# Altium PCB TestMod_SEAx.PcbDoc (part 3 of 3)
Units mil, origin at the board's own origin, x right, y up, seen from the top; angles counter-clockwise.
Board outline 3972.98 x 2716.54 mil, 4 copper layers (Top Layer, GND, Power, Bottom Layer), stack 57.48 mil thick; 154 components, 159 nets, 915 pads, 889 vias.
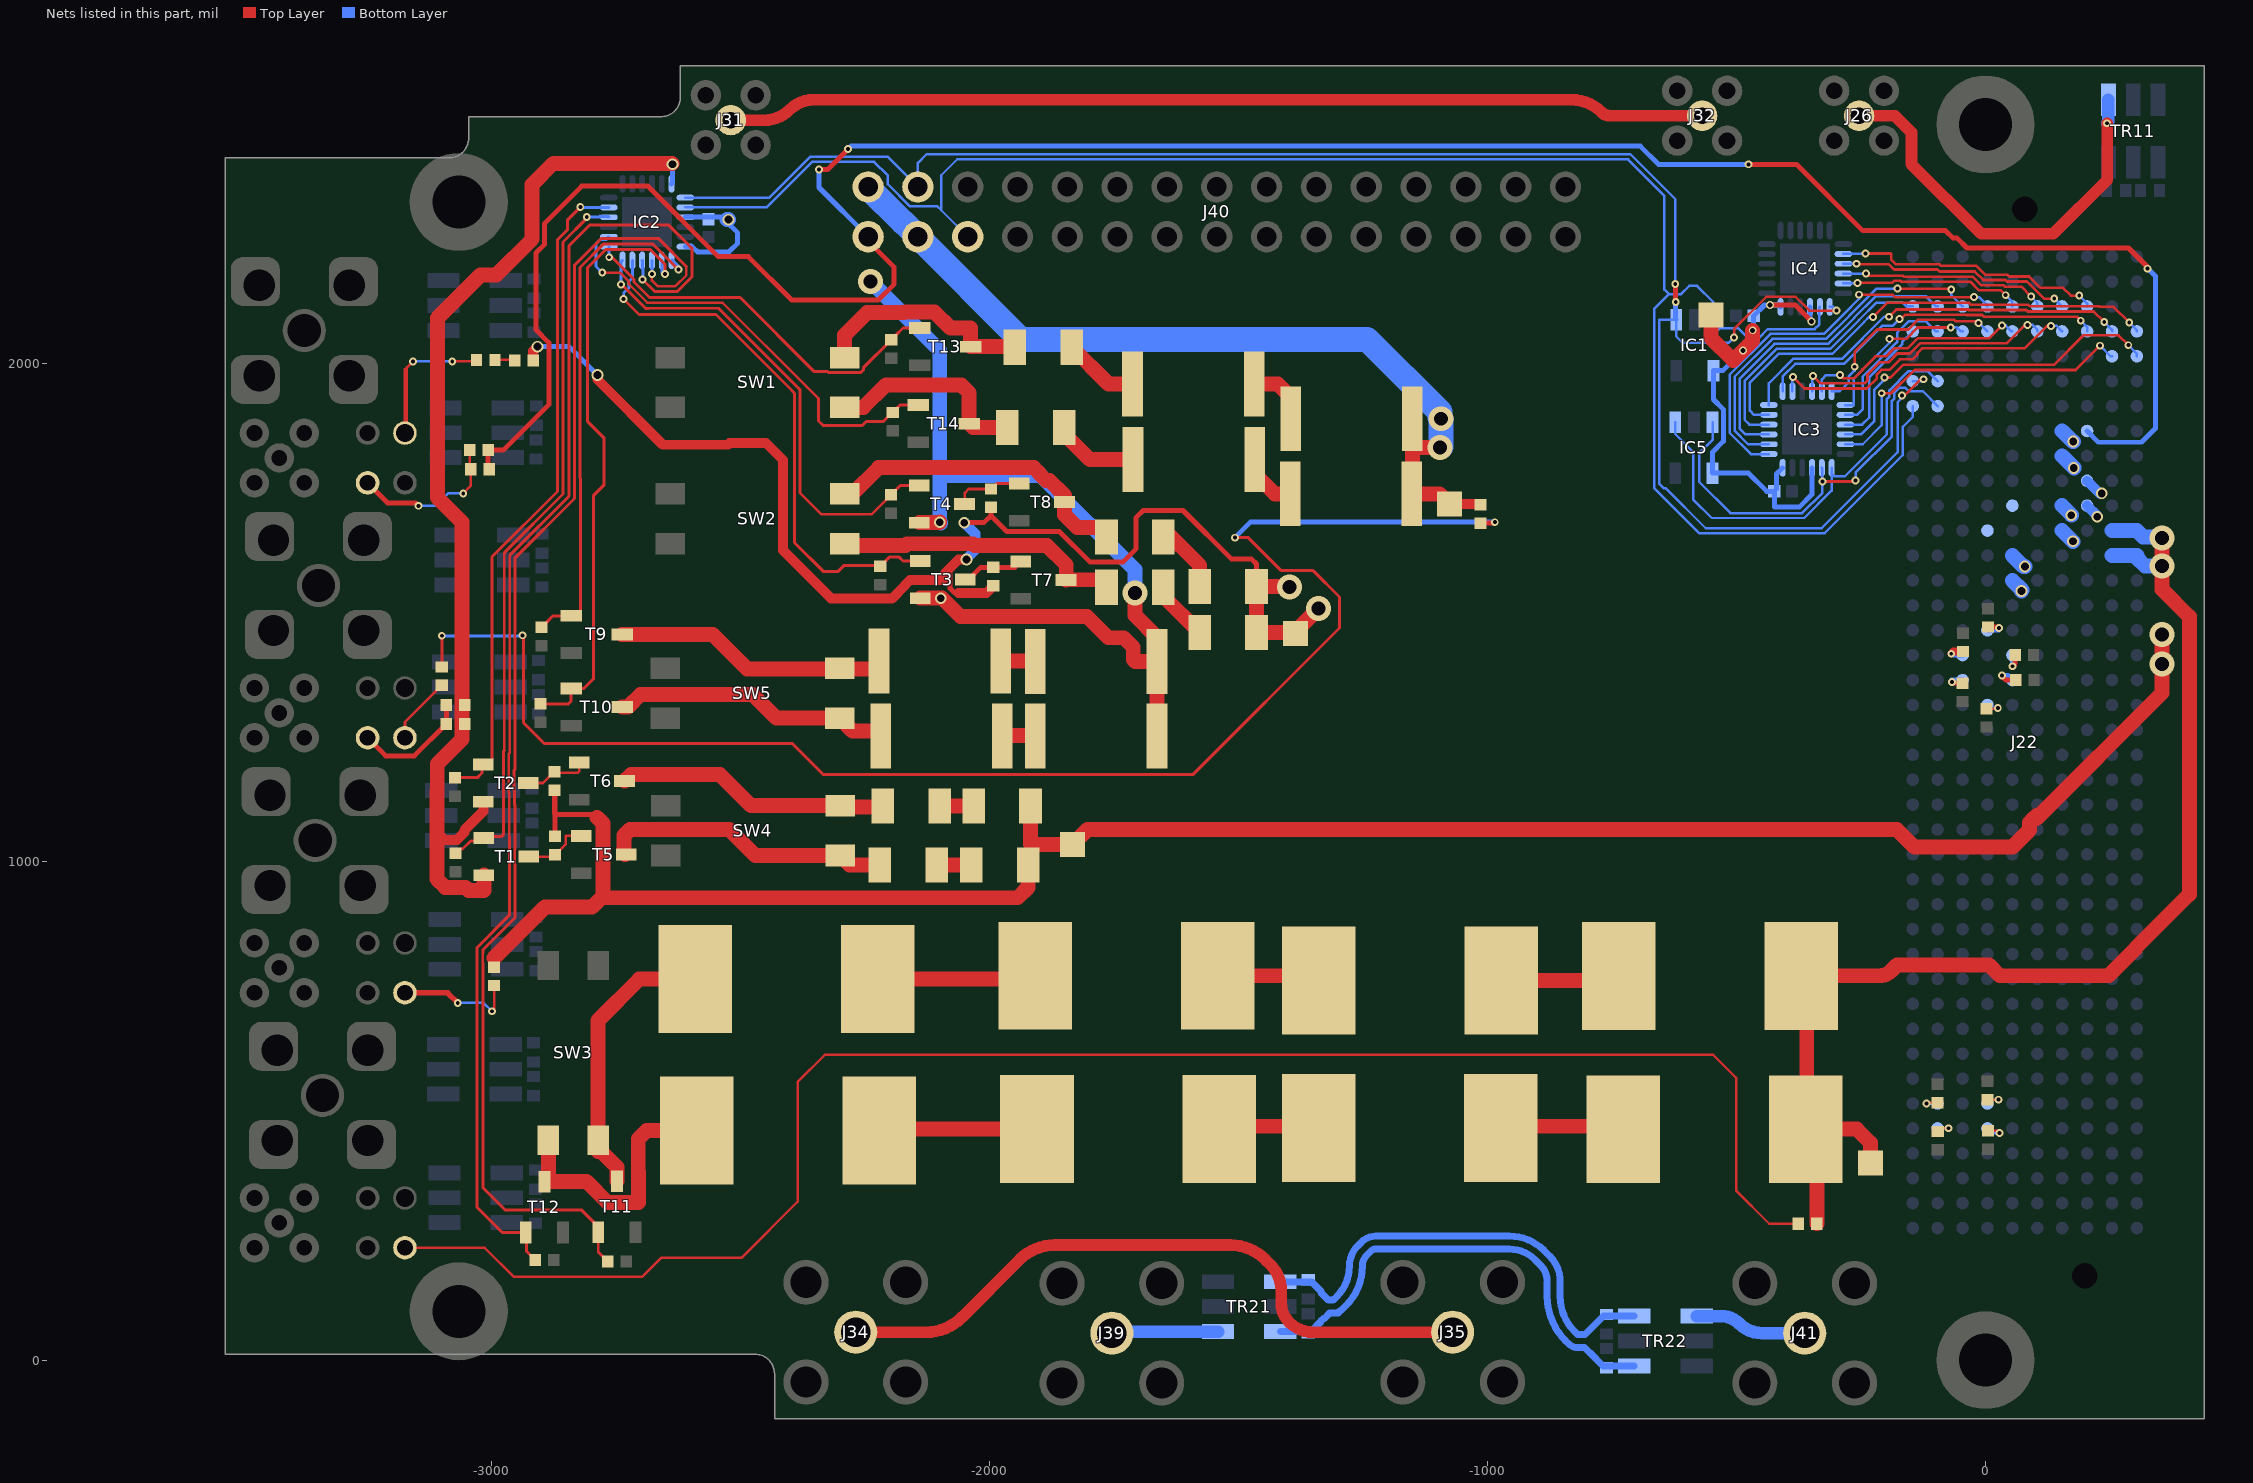
[diagram p5: the nets of this part, all layers, seen from the top]

## Via types
v1: diameter 19.68, hole 7.87, Top Layer to Bottom Layer, tented both sides, 436 vias
v2: diameter 15.75, hole 7.87, Top Layer to Bottom Layer, tented both sides, 372 vias
v3: diameter 23.62, hole 15.75, Top Layer to Bottom Layer, tented both sides, 64 vias
v4: diameter 50, hole 28, Top Layer to Bottom Layer, tented both sides, 13 vias
v5: diameter 15.75, hole 10, Top Layer to Bottom Layer, tented both sides, 4 vias

## Nets (pads, with @x,y where several pads share a name; then routed paths per layer and width w, separated by ;. In a path a pad name is that pad's centre, name@x,y a point inside that pad or via, vN(x,y) a via of type N, cw(c..) or ccw(c..) an arc to the next point about the centre after c; other vN are vias at no path point) (continued)
MEZZ1_IO12: IC4.14 J22.c38 | length 543.5
  Top Layer w5.3: v2(-241.14,2221.46) -190.5,2221.46 -189.53,2220.48 -189.53,2209.57 -179.59,2199.63 -92.27,2199.63 -89.37,2196.74 -18.7,2196.74 -0.43,2178.47 44.25,2178.47 47.31,2175.42 87.49,2175.42 110.3,2152.61 155.3,2152.61 171.09,2136.81 v2(187.99,2136.81)
  Bottom Layer w5: IC4.14@-285.43,2220.47 -242.13,2220.47 v2(-241.14,2221.46) ; v2(187.99,2136.81) 203.74,2121.07 J22.c38@203.74,2115.16
MEZZ1_IO13: IC4.15 J22.d38 | length 474.7
  Top Layer w5.3: v2(-258.87,2200.89) -257.61,2199.63 -194.16,2199.63 -183.86,2189.33 -96.54,2189.33 -92.64,2185.43 -21.96,2185.43 -4.7,2168.17 39.98,2168.17 43.04,2165.11 83.22,2165.11 117.43,2130.91 v2(137.8,2130.91)
  Bottom Layer w5: IC4.15@-285.43,2200.78 -285.32,2200.89 v2(-258.87,2200.89) ; v2(137.8,2130.91) 137.99,2130.91 J22.d38@153.74,2115.16
MEZZ1_IO14: IC4.16 J22.e38 | length 420.9
  Top Layer w5.3: v2(-240.16,2181.1) -235.89,2176.83 -166.3,2176.83 -164.54,2175.07 -26.17,2175.07 -8.97,2157.86 35.71,2157.86 38.77,2154.81 71.57,2154.81 v2(91.54,2134.84)
  Bottom Layer w5: IC4.16@-285.43,2181.1 v2(-240.16,2181.1) ; v2(91.54,2134.84) 103.74,2122.64 J22.e38@103.74,2115.16
MEZZ1_IO15: IC4.17 J22.f38 | length 367.9
  Top Layer w5.3: v2(-256.89,2162.4) -187.56,2162.4 -183.43,2166.53 -170.57,2166.53 -168.81,2164.76 -30.44,2164.76 -13.24,2147.56 30.52,2147.56 v2(40.29,2137.8)
  Bottom Layer w5: IC4.17@-285.43,2161.41 -257.88,2161.41 v2(-256.89,2162.4) ; v2(40.29,2137.8) 53.74,2124.34 J22.f38@53.74,2115.16
MEZZ2_IO0: IC3.1 J22.g38 | length 813.6
  Top Layer w5: v2(-254,2138.78) -234.08,2138.78
  Top Layer w5.3: -234.08,2138.78 -186.74,2138.78 -181.67,2133.71 -23.29,2133.71 v2(-23,2134)
  Bottom Layer w5: IC3.1@-435.04,1818.9 -471.18,1818.9 -513.92,1861.63 -513.92,1978.12 -432.16,2059.88 -324.38,2059.88 -283.63,2100.63 -283.63,2100.94 -254,2130.57 v2(-254,2138.78) ; v2(-23,2134) -12.94,2134 3.74,2117.33 J22.g38@3.74,2115.16
MEZZ2_IO1: IC3.2 J22.h38 | length 741
  Top Layer w5: v2(-177,2151) -70.76,2151 v2(-69,2149.24)
  Bottom Layer w5: IC3.2@-435.04,1838.58 -476.72,1838.58 -503.92,1865.78 -503.92,1973.98 -428.01,2049.88 -320.23,2049.88 -273.63,2096.49 -273.63,2096.8 -219.43,2151 v2(-177,2151) ; v2(-69,2149.24) -69,2137.9 J22.h38@-46.26,2115.16
MEZZ2_IO2: IC3.3 J22.j38 | length 638.3
  Bottom Layer w5: IC3.3@-435.04,1858.27 -482.27,1858.27 -493.92,1869.92 -493.92,1969.84 -423.87,2039.88 -316.09,2039.88 -263.63,2092.35 -263.63,2092.66 -221.03,2135.26 -119.51,2135.26 -99.41,2115.16 J22.j38@-96.26,2115.16
MEZZ2_IO3: IC3.4 J22.k38 | length 537.1
  Bottom Layer w5: IC3.4@-435.04,1877.95 -474.14,1877.95 -483.92,1887.73 -483.92,1965.69 -419.73,2029.88 -311.95,2029.88 -253.63,2088.21 -253.63,2088.52 -219.14,2123 -167,2123 -159.16,2115.16 J22.k38@-146.26,2115.16
MEZZ2_IO4: IC3.5 J22.a37 | length 966.3
  Top Layer w5: v2(-226,2094) -197.28,2122.72 -192.24,2122.72
  Top Layer w5.3: -192.24,2122.72 -33.68,2122.72 -29.43,2118.47 85.95,2118.47 89.04,2115.38 227.82,2115.38 228.8,2114.39 256.67,2114.39 v2(288.39,2082.68)
  Bottom Layer w5: IC3.5@-435.04,1897.64 -464.64,1897.64 -473,1906 -473,1962.47 -415.59,2019.88 -307.81,2019.88 -243.63,2084.06 -243.63,2084.37 -234,2094 v2(-226,2094) ; v2(288.39,2082.68) 303.74,2067.33 J22.a37@303.74,2065.16
MEZZ2_IO5: IC3.6 J22.b37 | length 813.8
  Top Layer w5.3: v2(-193.9,2094.49) -179.25,2109.14 -34.67,2109.14 -33.7,2108.17 81.68,2108.17 84.77,2105.07 216.78,2105.07 v2(238.19,2083.66)
  Bottom Layer w5: IC3.6@-435.04,1917.32 -435.04,1961.08 -386.24,2009.88 -288.38,2009.88 -203.77,2094.49 v2(-193.9,2094.49) ; v2(238.19,2083.66) 253.74,2068.11 J22.b37@253.74,2065.16
MEZZ2_IO6: IC3.7 J22.c37 | length 711.4
  Top Layer w5.3: v2(-173,2090) -169.84,2090 -161.01,2098.83 -38.93,2098.83 -37.97,2097.86 -7.01,2097.86 -3.63,2094.49 183.07,2094.49 v2(190.94,2086.61)
  Bottom Layer w5: IC3.7@-407.48,1944.88 -407.48,1974.5 -382.1,1999.88 -284.23,1999.88 -207.34,2076.77 -186.23,2076.77 v2(-173,2090) ; v2(190.94,2086.61) 203.74,2073.82 J22.c37@203.74,2065.16
MEZZ2_IO7: IC3.8 J22.d37 | length 641.8
  Top Layer w5.3: v2(-386.81,1973.43) -363.78,1950.39 -238.73,1950.39 -218.28,1970.84 -218.28,1978.87 -209.19,1987.97 -193.17,1987.97 -172.14,2009 -146.64,2009 -136.59,2019.05 -136.59,2021.59 -127.25,2030.93 78.08,2030.93 123.15,2076 v2(131,2076)
  Bottom Layer w5: IC3.8@-387.8,1944.88 -387.8,1972.44 v2(-386.81,1973.43) ; v2(131,2076) 142.9,2076 J22.d37@153.74,2065.16
MEZZ2_IO8: IC3.10 J22.e37 | length 550.7
  Top Layer w5.3: v2(-346.46,1975.39) -331.76,1960.7 -243,1960.7 -236.96,1966.73 -236.96,1979.04 -213,2003 -195,2003 -177.38,2020.62 -152.13,2020.62 -131.52,2041.23 42.16,2041.23 78.93,2078 v2(84,2078)
  Bottom Layer w5: IC3.10@-348.43,1944.88 -348.43,1973.43 v2(-346.46,1975.39) ; v2(84,2078) 94.24,2078 103.74,2068.51 J22.e37@103.74,2065.16
MEZZ2_IO9: IC3.11 J22.f37 | length 462.2
  Top Layer w5.3: v2(-292.32,1977.36) -285.96,1971 -263.93,1971 -247.27,1987.66 -247.27,1989.08 -221.35,2015 -199.67,2015 -183.75,2030.93 -156.4,2030.93 -135.79,2051.54 7.54,2051.54 v2(33,2077)
  Bottom Layer w5: IC3.11@-328.74,1944.88 -328.74,1968.8 -320.17,1977.36 v2(-292.32,1977.36) ; v2(33,2077) 40.13,2077 51.97,2065.16 J22.f37@53.74,2065.16
MEZZ2_IO10: IC3.12 J22.g37 | length 410.8
  Top Layer w5.3: v2(-262.8,1994.09) -262.8,2024.08 -217.87,2069 -154.97,2069 -135.45,2088.53 -63.57,2088.53 -60.56,2085.52 -17.52,2085.52 v2(-14,2082)
  Bottom Layer w5: IC3.12@-309.06,1944.88 -292.79,1944.88 -275.12,1962.56 -275.12,1974.17 -262.8,1986.49 v2(-262.8,1994.09) ; v2(-14,2082) -13.1,2082 J22.g37@3.74,2065.16
MEZZ2_IO11: IC3.13 J22.h37 | length 338.5
  Top Layer w5.3: v2(-192.91,2050.2) -159.2,2050.2 -136.4,2073 v2(-70,2073)
  Bottom Layer w5: IC3.13@-281.5,1917.32 -265.12,1917.32 -265.12,1970.02 -192.91,2042.23 v2(-192.91,2050.2) ; v2(-70,2073) -57.51,2073 -49.67,2065.16 J22.h37@-46.26,2065.16
MEZZ2_IO12: IC3.14 J22.j37 | length 320.7
  Bottom Layer w5: IC3.14@-281.5,1897.64 -257.85,1897.64 -247,1908.49 -247,1974 -177.54,2043.46 -177.54,2062.3 -154.59,2085.26 -119.71,2085.26 -99.61,2065.16 J22.j37@-96.26,2065.16
MEZZ2_IO13: IC3.15 J22.k37 | length 262.9
  Bottom Layer w5: IC3.15@-281.5,1877.95 -247.86,1877.95 -234,1891.81 -234,1972.61 -167.54,2039.07 -167.54,2043.88 J22.k37@-146.26,2065.16
MEZZ2_IO14: IC3.16 J22.a36 | length 727
  Top Layer w5.3: v2(-202.76,1972.44) -191.13,1972.44 -165.57,1998 137,1998 196,2057 266.82,2057 v2(286.42,2037.4)
  Bottom Layer w5: IC3.16@-281.5,1858.27 -250,1858.27 -224,1884.27 -224,1947.37 -202.76,1968.61 v2(-202.76,1972.44) ; v2(286.42,2037.4) 303.74,2020.08 J22.a36@303.74,2015.16
MEZZ2_IO15: IC3.17 J22.b36 | length 663.7
  Top Layer w5.3: v2(-208.62,1941) -189.43,1941 -142.73,1987.7 180.61,1987.7 v2(229.33,2036.42)
  Bottom Layer w5: IC3.17@-281.5,1838.58 -246.68,1838.58 -208.62,1876.64 v2(-208.62,1941) ; v2(229.33,2036.42) 250.59,2015.16 J22.b36@253.74,2015.16
N6V0A: J22.f27 J22.f28 R23.2 R24.2 R37.1 R39.1 R56.2 TP9.1 | length 4270.5
  Top Layer w10: R23.2@-2872.05,1051.5 -2872.05,1096.05 ; -2787.2,1089.37 -2792.83,1095 -2871,1095 -2872.05,1096.05 ; -2872.05,1096.05 -2872.05,1143.11 R24.2@-2872.83,1143.9 -2872.83,1096.83 -2872.05,1096.05
  Top Layer w30: -2994.09,807.09 -2891.73,909.45 -2797.24,909.45 -2775.59,931.1 ; -2787.2,1089.37 -2775.59,1077.76 -2775.59,931.1 ; R37.1@-1922.21,994.1 -1922.21,948.85 -1942.91,928.15 -2772.64,928.15 -2775.59,931.1 ; R39.1@-1917.32,1112.2 -1917.32,1036.42 -1916.34,1035.43 TP9.1@-1832.68,1035.43 -1802.95,1065.16 -178.16,1065.16 -143,1030 54,1030 88,1064 88,1079 96.28,1087.28 ; 102,1093 96.28,1087.28 ; v4(354.33,1456.69) 354.33,1339.57 102.05,1087.28 96.28,1087.28
  Bottom Layer w30: J22.f27@53.74,1565.16 73,1545.9 72,1544.9 v3(72,1544) ; J22.f28@53.74,1615.16 75.7,1593.2 v3(78.74,1593.2)
  other v4: 354.33,1397.64
N12V0A: J22.d32 J22.d33 R21.1 R25.2 R26.2 R27.1 R53.1 TP7.1 | length 2666.1
  Top Layer w10: -2078.9,1582.88 -2078.9,1549.23 -2071.01,1541.34 -2062,1541.34 ; v3(-2050.2,1681.1) -2010.83,1681.1 -1996.65,1695.27 ; R26.2@-1996.65,1711.81 -1996.65,1695.27 ; R27.1@-1463.58,1553.15 -1463.58,1598.28 -1473.31,1608 -1513.5,1608 -1611.2,1705.71 -1691,1705.71 -1705.71,1691 -1705.71,1627.95 -1731.3,1602.36 -1798.23,1602.36 -1859.09,1663.23 -1964.61,1663.23 -1996.65,1695.27
  Top Layer w20: R53.1@-2915.55,2006.89 -2915.55,2025.9 v3(-2907,2034.45) ; v3(-2786.42,1977.36) -2786.42,1968.42 -2655.55,1837.55 -2524.89,1837.55 -2521.43,1841 -2448,1841 -2414,1807 -2414,1625.61 -2317.39,1529 -2194.88,1529 -2169,1554.88 -2169,1556 -2159.06,1565.94 -2088,1565.94 -2088,1581 -2062,1607 v3(-2046,1607) ; -2062,1540.12 -2005.71,1540.12 -1992.13,1553.7 R25.2@-1992.13,1554.33 ; TP7.1@-1387.23,1460.63 TP7.1@-1385.26,1458.66
  Top Layer w30: v4@-1399,1552 -1400.15,1553.15 R27.1@-1463.58,1553.15 R21.1@-1463.58,1460.63 TP7.1@-1387.23,1460.63 ; TP7.1@-1385.26,1458.66 -1385.26,1462.81 v4(-1339.07,1509)
  Bottom Layer w10: v3(-2907,2034.45) -2843.5,2034.45 v3(-2786.42,1977.36)
  Bottom Layer w20: v3(-2050.2,1681.1) -2028.09,1659 -2028.09,1626.43 -2046,1608.53 v3(-2046,1607)
  Bottom Layer w30: J22.d32@153.74,1815.16 177,1791.9 v3(177,1791) ; J22.d33@153.74,1865.16 174.9,1844 v3(176,1844)
  other v4: -1397.68,1551.79
NetJ22_f23: J22.f23 R4.2 | length 56.1
  Top Layer w10: v2(33,1374) 33,1372.68 36,1369.68 40.52,1365.16 R4.2@60.24,1365.16
  Bottom Layer w10: v2(33,1374) 44.9,1374 48.9,1370 J22.f23@53.74,1365.16
NetJ22_f24: J22.f24 R6.2 | length 47
  Top Layer w10: v2(53.74,1392.9) 59.25,1398.41 R6.2@59.25,1415.35
  Bottom Layer w10: v2(53.74,1392.9) J22.f24@53.74,1415.16
NetJ22_g5: J22.g5 R7.2 | length 53
  Top Layer w5.3: R7.2@4.92,460.43 23.57,460.43 v2(28,456)
  Bottom Layer w5.3: J22.g5@3.74,465.16 12.9,456 v2(28,456)
NetJ22_g6: J22.g6 R9.2 | length 47.8
  Top Layer w5.3: R9.2@3.94,522.83 v2(26.17,522.83)
  Bottom Layer w5.3: J22.g6@3.74,515.16 11.41,522.83 v2(26.17,522.83)
NetJ22_g22: J22.g22 R3.2 | length 46.6
  Top Layer w5.3: R3.2@1.97,1307.87 23.29,1307.87 v2(24.47,1309.06)
  Bottom Layer w5.3: J22.g22@1.71,1311.16 3.81,1309.06 v2(24.47,1309.06)
NetJ22_g25: J22.g25 R10.2 | length 45
  Top Layer w10: R10.2@4.92,1471.65 23.35,1471.65 25,1470 v2(27,1470)
  Bottom Layer w10: J22.g25@4.66,1465.16 v2@26.93,1465.16
NetJ22_h23: J22.h23 R5.2 | length 44.3
  Top Layer w10: v2(-67.54,1361) -65.59,1359.06 R5.2@-46.26,1359.06
  Bottom Layer w10: v2@-68.53,1365.16 J22.h23@-46.26,1365.16
NetJ22_h24: J22.h24 R8.2 | length 47.8
  Top Layer w16: v2(-69,1418) -64.56,1422.44 R8.2@-45.28,1422.44
  Bottom Layer w10: v2@-67.54,1415 J22.h24@-45.28,1415
NetJ22_j5: J22.j5 R1.2 | length 48.3
  Top Layer w5.3: R1.2@-96,459.06 cw(c-80.37,443.43) -80.37,465.54 v2(-74.19,465.54)
  Bottom Layer w5.3: J22.j5@-99,465.54 v2(-74.19,465.54)
NetJ22_j6: J22.j6 R2.2 | length 46.2
  Top Layer w5.3: v2(-119,515) -117.5,516.5 R2.2@-96.26,516.5
  Bottom Layer w5.3: v2(-119,515) -96.42,515 J22.j6@-96.26,515.16
NetJ26_1: J26.1 TR11.3 | length 842.8
  Top Layer w23.58: J26.1@-255.91,2498.03 J26.1@-254,2498.03 -182.03,2498.03 -149,2465 -149,2401 -9,2261 136,2261 244,2369 v2(244,2483)
  Bottom Layer w24.71: v2(244,2483) 245,2483 246.41,2484.41 TR11.3@246.41,2529.86
NetJ31_1: J31.1 J32.1 | length 1969.5
  Top Layer w23.58: J31.1@-2519,2489.17 -2451.28,2489.17 ccw(c-2451.28,2560.28) -2401,2510 cw(c-2352.72,2461.72) -2352.72,2530 -831.36,2530 cw(c-831.36,2444.64) -771,2505 ccw(c-754.18,2521.82) -754.18,2498.03 J32.1@-569,2498.03
NetJ34_1: J34.1 J35.1 | length 1367.4
  Top Layer w23.58: J34.1@-2268,56.1 -2126.43,56.1 ccw(c-2126.43,156.1) -2055.72,85.39 -1939.4,201.71 cw(c-1868.69,131) -1868.69,231 -1516.42,231 cw(c-1516.42,131) -1445.71,201.71 -1435.5,191.5 cw(c-1487.41,139.59) -1414,139.59 -1414,114.63 ccw(c-1359.37,114.63) -1398,76 ccw(c-1349.96,124.04) -1349.96,56.1 J35.1@-1069.88,56.1
NetJ39_1: J39.1 TR21.3 | length 213.8
  Bottom Layer w25.43: J39.1@-1753.94,54.13 cw(c-1746.33,46.53) -1746.33,57.28 TR21.3@-1540.95,57.28
NetJ41_1: J41.1 TR22.3 | length 226.1
  Bottom Layer w25.43: TR22.3@-580.12,88.39 -531.12,88.39 cw(c-531.12,37.31) -495,73.43 ccw(c-448.43,120) -448.43,54.13 J41.1@-363.19,54.13
NetLD1_1: LD1.1 R54.1 | length 409.9
  Top Layer w5: LD1.1@-3173.03,1861.02 -3173.03,1988.69 -3169.1,1992.63 ; LD1.1@-3169.1,1862 -3169.1,1992.63 ; v2(-3157,2004.72) -3169.1,1992.63 ; v2(-3078,2004.72) -3032.48,2004.72 R54.1@-3029.33,2007.87
  Bottom Layer w5: v2(-3157,2004.72) v2(-3078,2004.72)
NetLD2_2: LD2.2 R59.1 R60.1 | length 315.2
  Top Layer w5: v2(-3056,1740) -3041.14,1754.86 R60.1@-3041.14,1788.39 -3043.11,1790.35 R59.1@-3043.11,1826.77
  Top Layer w10: LD2.2@-3248.03,1761.02 -3208.01,1721 -3152,1721 v2(-3146,1715)
  Bottom Layer w5: v2(-3146,1715) -3111.31,1715 -3086.31,1740 v2(-3056,1740)
NetLD4_2: LD4.2 R57.1 R58.1 | length 237.9
  Top Layer w10: LD4.2@-3248.03,1249.21 -3211.82,1213 -3154.08,1213 R58.1@-3090.03,1277.05 R57.1@-3090.03,1315.43
NetLD6_2: LD6.2 R55.1 | length 3420
  Top Layer w5: LD6.2@-3173.03,225.59 -3012.99,225.59 -2954.4,167 -2697,167 -2658,206 -2496.76,206 -2384.84,317.91 -2384.84,558.07 -2329.91,613 -547.06,613 -500.98,566.93 -500.98,340.55 -434.25,273.82 R55.1@-375.79,273.82
NetLD7_2: LD7.2 R52.2 | length 136.2
  Top Layer w6: LD7.2@-3173.03,1249.21 -3173.03,1280.97 -3099.5,1354.5 R52.2@-3099,1354.5
NetLD8_2: LD8.2 R56.1 | length 246.8
  Top Layer w5: v2(-2998.46,700.3) -2994.09,704.66 R56.1@-2994.09,751.97 R56.1@-2996.46,749.61
  Top Layer w11: LD8.2@-3173.03,737.4 -3087.33,737.4 v2(-3066.96,717.03)
  Bottom Layer w5: v2(-3066.96,717.03) -3015.19,717.03 v2(-2998.46,700.3)
NetR11_2: R11.2 R12.1 | length 117.2
  Top Layer w30: R12.1@-1467.52,1808.07 -1467.52,1779.53 -1426.97,1738.98 R11.2@-1395.67,1738.98
NetR12_2: R12.2 R13.1 | length 171.8
  Top Layer w30: R13.1@-1849.41,1872.05 -1849.41,1859.25 -1798.23,1808.07 R12.2@-1711.61,1808.07
NetR13_2: R13.2 SW1.1 T14.3 | length 417.2
  Top Layer w30: SW1.1@-2290.35,1912.6 -2252.76,1912.6 -2207.68,1957.68 -2056.1,1957.68 -2040.36,1941.93 T14.3@-2040.36,1879.92 -2032.48,1872.05 R13.2@-1963.59,1872.05
NetR14_2: R14.2 R15.1 | length 128.4
  Top Layer w30: R15.1@-1468.5,1959.65 -1420.78,1959.65 -1394.69,1933.55 R14.2@-1394.69,1889.76
NetR15_2: R15.2 R16.1 | length 152.6
  Top Layer w30: R16.1@-1834.65,2033.46 -1760.83,1959.65 R15.2@-1712.6,1959.65
NetR16_2: R16.2 SW1.2 T13.3 | length 456.6
  Top Layer w30: SW1.2@-2290.35,2012.6 -2290.35,2057.65 -2245.34,2102.66 -2170.7,2102.66 -2169.7,2103.66 -2109.83,2103.66 -2078.01,2071.85 -2037.4,2071.85 T13.3@-2037.4,2034.45 -1949.81,2034.45 R16.2@-1948.82,2033.46
NetR21_2: R21.2 R22.1 | length 135.7
  Top Layer w30: R22.1@-1649.61,1566.54 -1649.61,1532.48 R21.2@-1577.76,1460.63
NetR22_2: R22.2 SW2.1 T7.3 | length 577.7
  Top Layer w30: SW2.1@-2290.35,1638.98 -2286.83,1635.45 -2168.43,1635.45 -2165.06,1638.81 -2032.82,1638.81 -2029.46,1635.45 -1884.46,1635.45 -1845.47,1596.46 T7.3@-1845.47,1566.54 ; T7.3@-1846.06,1565.94 T7.3@-1845.47,1566.54 ; R22.2@-1763.78,1566.54 T7.3@-1845.47,1566.54
NetR23_1: R23.1 T1.3 T5.1 | length 129.3
  Top Layer w5.3: T1.3@-2924.22,1010.83 -2875.05,1010.83 -2850,1035.87 -2850,1052.36 -2822.05,1052.36 T5.1@-2821.85,1052.16
NetR24_1: R24.1 T2.3 T6.1 | length 129.6
  Top Layer w5.3: T2.3@-2925.2,1158.46 -2895.87,1158.46 -2875,1179.33 -2825.98,1179.33 -2822.84,1182.48 T6.1@-2822.84,1199.8
NetR25_1: R25.1 T3.3 T7.1 | length 126.7
  Top Layer w10: T3.3@-2048.23,1566.93 -2041.34,1566.93 -2016.93,1591.34 R25.1@-1992.13,1591.34 -1948.62,1591.34 T7.1@-1936.62,1603.35
NetR26_1: R26.1 T4.3 T8.1 | length 140.3
  Top Layer w5.3: T4.3@-2049.8,1718.5 -2049.21,1719.09 -2049.21,1741.14 -2041.54,1748.82 R26.1@-1996.65,1748.82 -1985.63,1759.84 T8.1@-1939.57,1759.84
NetR27_2: R27.2 R28.1 | length 148.3
  Top Layer w30: R28.1@-1650.59,1671.26 -1650.59,1668.31 -1577.76,1595.47 R27.2@-1577.76,1553.15
NetR28_2: R28.2 SW2.2 T8.3 | length 620.9
  Top Layer w30: SW2.2@-2290.35,1738.98 -2274.8,1738.98 -2222.13,1791.65 -1910.61,1791.65 -1898.9,1779.94 -1898.9,1778.52 -1886.57,1766.2 -1879.42,1766.2 -1849.02,1735.8 T8.3@-1849.02,1722.44 -1849.02,1696.85 -1823.43,1671.26 R28.2@-1764.76,1671.26
NetR29_2: R29.2 R30.1 | length 246.7
  Top Layer w30: R30.1@-974.61,469.49 -736.22,469.49 R29.2@-730.32,463.58
NetR30_2: R30.2 R31.1 | length 198.6
  Top Layer w30: R31.1@-1539.37,469.49 R30.2@-1340.75,469.49
NetR31_2: R31.2 R32.1 | length 314.7
  Top Layer w30: R32.1@-2216.54,460.63 -2213.17,464 -1911,464 R31.2@-1905.51,469.49
NetR32_2: R32.2 SW3.1 T12.3 | length 536.7
  Top Layer w30: SW3.1@-2885,441.8 -2885,366.56 -2881,362.56 -2881,358.51 -2808.34,358.51 -2765.83,316 -2704,316 -2704,378.21 -2704.72,378.94 -2704.72,443.9 -2687.99,460.63 R32.2@-2582.68,460.63
NetR33_2: R33.2 R34.1 | length 245.2
  Top Layer w30: R34.1@-972.44,761.81 -741.14,761.81 R33.2@-731.3,771.65
NetR34_2: R34.2 R35.1 | length 206.8
  Top Layer w30: R35.1@-1541.34,771.65 -1348.43,771.65 R34.2@-1338.58,761.81
NetR35_2: R35.2 R36.1 | length 312.9
  Top Layer w30: R36.1@-2217.52,764.76 -1914.37,764.76 R35.2@-1907.48,771.65
NetR36_2: R36.2 SW3.2 T11.3 | length 597.4
  Top Layer w30: SW3.2@-2785.63,418.63 -2785.63,681.89 -2702.76,764.76 R36.2@-2583.66,764.76 ; SW3.2@-2785,441.8 -2785,425 -2747.58,387.58 T11.3@-2747.58,359.5
NetR37_2: R37.2 R38.1 | length 68.9
  Top Layer w30: R38.1@-2105.32,994.09 R37.2@-2036.39,994.1
NetR38_2: R38.2 SW4.1 T5.3 | length 587.5
  Top Layer w30: T5.3@-2731.3,1014.76 -2733.27,1016.73 -2733.27,1053.15 -2721.08,1065.34 -2522.03,1065.34 -2469.68,1012.99 SW4.1@-2299.21,1012.99 -2280.31,994.09 R38.2@-2219.49,994.09
NetR39_2: R39.2 R40.1 | length 67.9
  Top Layer w30: R40.1@-2099.41,1112.2 R39.2@-2031.5,1112.2
NetR40_2: R40.2 SW4.2 T6.3 | length 551.9
  Top Layer w30: T6.3@-2732.29,1162.4 -2719.49,1175.2 -2540.55,1175.2 -2478.35,1112.99 SW4.2@-2299.21,1112.99 -2296.22,1110 -2215.79,1110 R40.2@-2213.58,1112.2
NetR41_2: R41.2 R42.1 | length 70.3
  Top Layer w30: R42.1@-1977.36,1253.94 -1908.46,1253.94 R41.2@-1907.48,1252.95
NetR42_2: R42.2 SW5.1 T10.3 | length 560.6
  Top Layer w30: T10.3@-2737.21,1311.04 -2725.38,1311.04 -2699.8,1336.61 -2475.39,1336.61 -2427.36,1288.58 SW5.1@-2300.2,1288.58 -2274.41,1262.8 -2230.32,1262.8 R42.2@-2221.46,1253.94
NetR49_2: R49.2 R50.1 | length 70.3